# Altium PCB develboard_eva.PcbDoc (part 2 of 4)
Units mm, origin at the board's own origin, x right, y up, seen from the top; angles counter-clockwise.
Board outline 84 x 120 mm, 4 copper layers (Top Layer, Inner, GND, Bottom Layer), stack 1.668 mm thick; 201 components, 260 nets, 1028 pads, 870 vias.
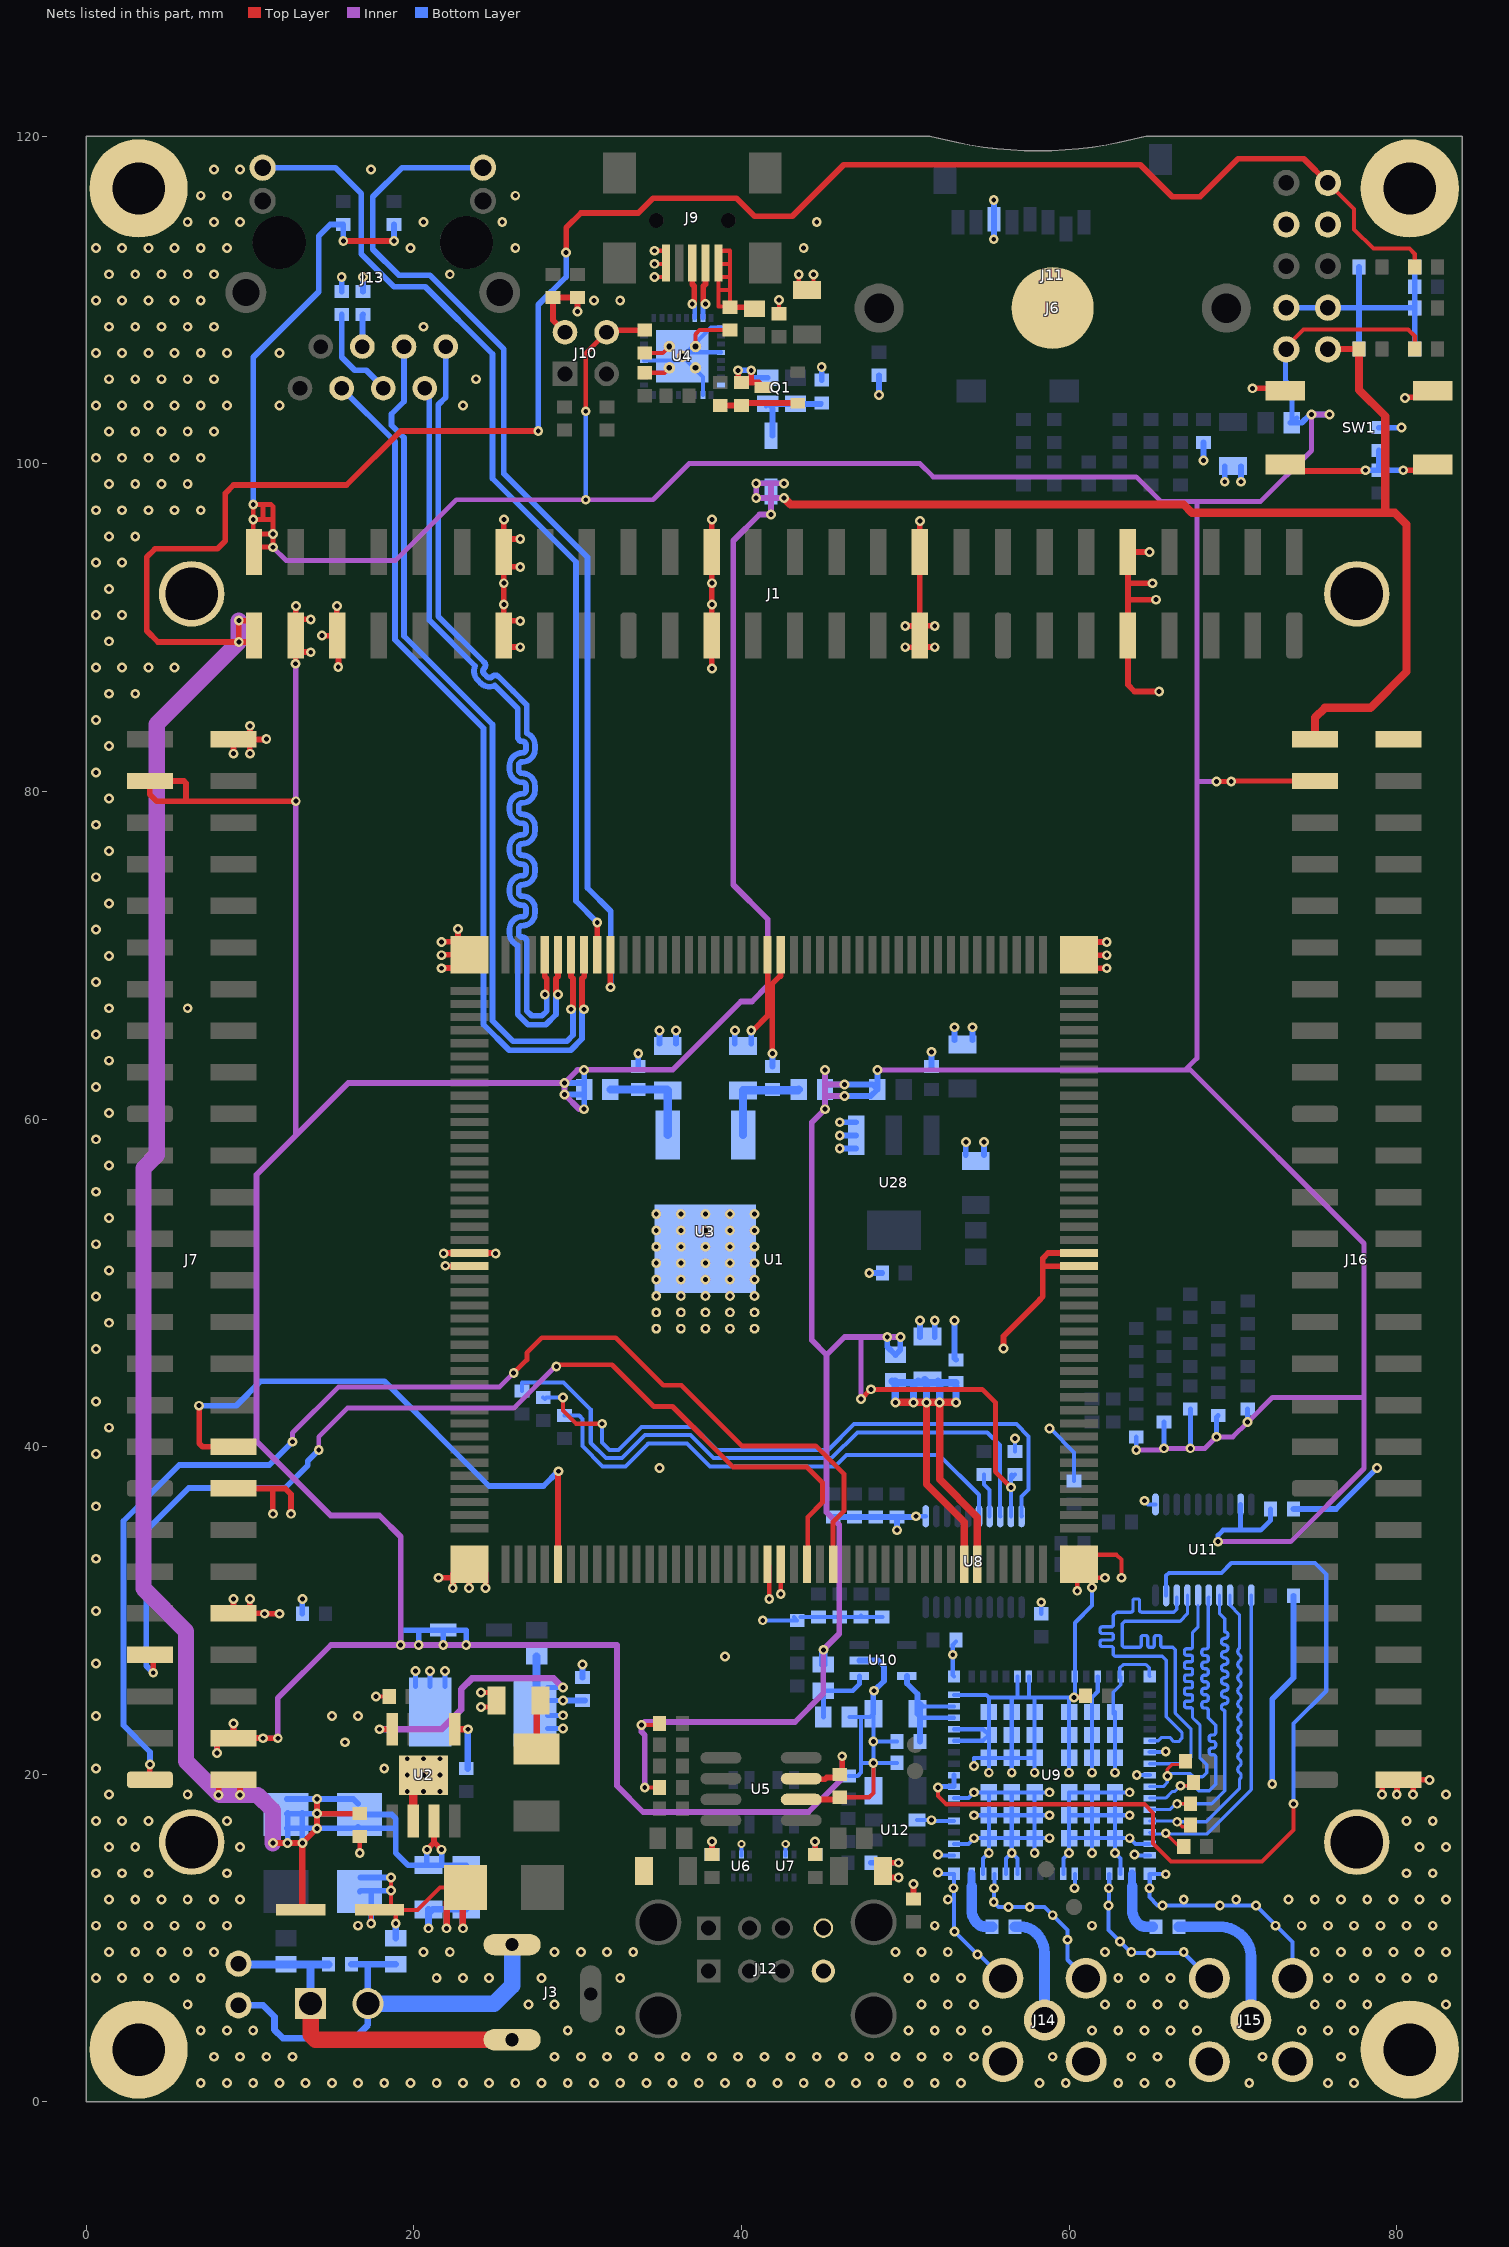
[diagram p4: the nets of this part, all layers, seen from the top]

## Via types
v1: diameter 0.6, hole 0.3, Top Layer to Bottom Layer, 866 vias
v2: diameter 0.5, hole 0.25, Top Layer to Bottom Layer, 4 vias

## Nets (pads, with @x,y where several pads share a name; then routed paths per layer and width w, separated by ;. In a path a pad name is that pad's centre, name@x,y a point inside that pad or via, vN(x,y) a via of type N, cw(c..) or ccw(c..) an arc to the next point about the centre after c; other vN are vias at no path point) (continued)
+3.3V: C23.1 C36.2 C37.2 D5.1 J1.2 J10.4 J16.3 L1.1 L7.1 L12.1 L13.2 L15.1 R50.1 R53.1 R55.2 R56.2 R72.1 R73.1 R74.1 R75.1 R76.1 Tp9.1 U8.19 U11.19 | length 367.4
  Top Layer w0.25: J10.4@31.77,108.02 J10.4@31.9,108.15 ; v1(33.9,23) 34.9,23 R50.1@35,23.1 ; v1(34.1,19.2) R53.1@35,19.2 ; Tp9.1@73.26,106.98 73.26,107.16 74.3,108.2 80.7,108.2 81.1,107.8 D5.1@81.1,107
  Top Layer w0.3: J1.2@10.24,95.7 J1.2@10.25,95.71 ; J1.2@10.25,94.61 J1.2@10.25,94.91 ; v1(30.5,103.2) 30.5,106.75 J10.4@31.77,108.02 ; v1(47.3,42.9) v1(47.9,43.5) 54.7,43.5 55.5,42.7 55.5,38.468 v1(56.45,37.518) ; v1(69,80.6) v1(69.9,80.6) 69.93,80.63 J16.3@75.01,80.63 ; v1(10.2,96.6) 10.8,96.6 ; v1(10.2,96.6) v1(10.2,97.5) 10.8,97.5 ; v1(10.2,96.6) 10.2,95.76 J1.2@10.25,95.71 ; J1.2@10.25,94.91 11.39,94.91 v1(11.4,94.9) v1(11.4,95.7) ; J1.2@10.25,94.91 J1.2@10.25,95.71 ; J1.2@10.25,95.71 11.39,95.71 v1(11.4,95.7) ; 10.8,96.6 11.4,96.6 ; 10.8,96.6 10.8,97.5 ; 10.8,97.5 11.3,97.5 11.4,97.4 11.4,96.6 ; v1(11.4,95.7) 11.4,96.6
  Top Layer w0.35: v1(15.7,113.6) v1(18.8,113.6) ; J10.4@31.9,108.15 C23.1@34.1,108.15
  Inner w0.3: v1(11.4,94.9) 12.2,94.1 18.9,94.1 22.6,97.8 v1(30.5,97.8) 34.6,97.8 36.8,100 50.9,100 51.7,99.2 64.1,99.2 65.6,97.7 67.8,97.7 ; v1(47.3,42.9) 47.3,46.7 ; v1(48.3,63) 67.1,63 ; v1(64.1,39.8) 65.7,39.8 v1(65.8,39.9) v1(67.4,39.9) 68.3,39.9 v1(69,40.6) 70,40.6 v1(70.9,41.5) 72.4,43 78,43 ; v1(69.1,34.2) 73.531,34.2 78,38.669 78,43 ; v1(69.9,80.6) v1(69,80.6) 67.8,80.6 ; v1(74.8,103) 74.8,100.8 71.7,97.7 67.8,97.7 ; 67.1,63 67.4,63 78,52.4 78,43 ; 67.1,63 67.8,63.7 67.8,80.6 ; 67.8,80.6 67.8,97.7
  Inner w0.35: v1(34.1,19.2) 34.1,22.4 33.9,22.6 v1(33.9,23) 34.1,23.2 43.267,23.2 45,24.933 v1(45,27.6) 45.975,28.575 45.975,35.225 45.2,36 45.2,45.6 ; 45.1,61.4 v1(46.3,61.4) ; 45.1,62.1 v1(46.3,62.1) ; v1@45.2,62.9 45.1,62.8 v1(45.1,60.6) 44.3,59.8 44.3,46.5 45.2,45.6 ; v1(49.7,46.7) v1(48.9,46.7) 47.3,46.7 46.3,46.7 45.2,45.6 ; v1(74.8,103) v1(75.9,103)
  Bottom Layer w0.25: U8.19@56.45,35.75 v1(56.45,37.518) 56.45,38.25 C36.2@56.5,38.3 ; C36.2@56.5,38.1 C36.2@56.7,38.3
  Bottom Layer w0.3: v1(30.5,97.8) v1(30.5,103.2) ; v1(64.1,39.8) R74.1@64.1,40.6 ; v1(65.8,39.9) R73.1@65.8,41.5 ; v1(67.4,39.9) R75.1@67.4,42.3 ; v1(69,40.6) 69,41.8 R72.1@69.1,41.9 ; v1(69.1,34.2) 69.1,34.6 69.4,34.9 70.5,34.9 ; U11.19@70.475,36.475 70.475,34.925 70.5,34.9 ; v1(70.9,41.5) R76.1@70.9,42.3 ; C37.2@72.3,36.2 72.3,35.5 71.7,34.9 70.5,34.9 ; Tp9.1@73.26,106.98 73.2,106.92 73.2,105.1 73.6,104.7 L7.1@73.6,102.5 L7.1@73.9,102.8
  Bottom Layer w0.35: v1(10.2,97.5) 10.2,106.5 14.2,110.5 14.2,113.9 14.9,114.6 R56.2@15.7,114.6 v1(15.7,113.6) ; v1(18.8,113.6) R55.2@18.8,114.6 ; v1(45.1,60.6) L15.1@45.1,61.4 ; v1(45.1,63) L15.1@45.1,62.1 ; v1(48.3,63) L12.1@48.3,61.8 ; v1(48.9,46.7) 48.9,46.1 L1.1@49.4,45.6 49.7,45.9 v1(49.7,46.7) ; L7.1@73.5,102.5 L7.1@73.6,102.5 74.2,102.5 74.7,103 v1(74.8,103) v1(75.9,103) ; L15.1@45.1,61.4 v1(46.3,61.4) 47.9,61.4 L12.1@48.3,61.8 ; L15.1@45.1,61.4 L15.1@45.1,61.8 L15.1@45.1,62.1 ; L15.1@45.1,62.1 v1(46.3,62.1) 48,62.1 L12.1@48.3,61.8
  Bottom Layer w0.5: L13.2@45,26.7 v1(45,27.6)
+5V: C28.1 D4.1 D6.1 D7.1 J1.3 J7.3 J7.50 J16.1 L5.1 Tp10.1 U5.7 | length 303.9
  Top Layer w0.35: v1@8,21.3 J7.50@8,22.53 ; v1(9,23.1) 8.99,23.09 J7.50@8.99,22.21 10.79,22.21 v1(10.8,22.2) v1(11.7,22.2) ; v1(12.79,87.79) 12.8,87.8 J1.3@12.8,88.5 ; v1(12.8,79.4) 6.1,79.4 ; J1.3@12.8,88.7 J1.3@12.8,88.5 ; J1.3@12.8,90.4 J1.3@12.8,90.5 ; v1(12.81,91.31) 12.8,91.3 J1.3@12.8,90.5 ; v1(13.71,88.49) 13.7,88.5 J1.3@12.8,88.5 ; v1(13.71,90.49) 13.7,90.5 J1.3@12.8,90.5 ; U5.7@43.65,19.735 43.685,19.7 45.1,19.7 45.2,19.8 C28.1@46,19.8 ; C28.1@46,20 46.15,20.15 v1(46.15,21.105) ; Tp10.1@75.8,106.98 75.82,107 D4.1@77.7,107 ; 6.1,79.4 4.3,79.4 3.89,79.81 J7.3@3.89,80.63 5.97,80.63 6.1,80.5 6.1,79.4
  Top Layer w0.5: v1(42.6,97.9) 43,97.5 67,97.5 67.5,97 79.3,97 ; J16.1@75.01,83.17 75.01,84.5 75.61,85.1 78.4,85.1 80.6,87.3 80.6,96.3 79.9,97 79.3,97 ; D4.1@77.7,107 77.7,104.5 79.3,102.9 79.3,97
  Inner w0.35: v1(7.99,21.31) 7.99,21.79 8.4,22.2 8.9,22.2 ; v1(9,23.1) 9,22.3 8.9,22.2 ; v1(12.79,87.79) 12.79,58.99 ; v1(30.4,60.6) 30.1,60.6 v1(29.2,61.5) v1(29.2,62.2) ; v1(42.6,97.9) 41.8,97.9 ; v1(42.6,98.8) 41.8,98.8 ; v1(46.15,21.105) 46.15,19.75 44.1,17.7 34,17.7 32.4,19.3 32.4,27.9 v1(23.2,27.9) v1(21.8,27.9) v1(20.3,27.9) v1(19.2,27.9) ; 8.9,22.2 v1(10.8,22.2) v1(11.7,22.2) 11.7,24.65 14.95,27.9 v1(19.2,27.9) ; 12.79,58.99 16,62.2 v1(29.2,62.2) ; 12.79,58.99 10.4,56.6 10.4,40.333 14.933,35.8 17.9,35.8 19.2,34.5 v1(19.2,27.9) ; v1(29.2,62.2) 30,63 v1(30.4,63) 35.8,63 39.975,67.175 40.642,67.175 41.6,68.133 41.6,72.2 39.5,74.3 39.5,95.3 41.1,96.9 v1(41.8,96.9) 41.8,97.9 ; 41.8,97.9 v1(40.9,97.9) v1(40.9,98.8) 41.8,98.8 ; 41.8,97.9 41.8,98.8
  Bottom Layer w0.35: v1(19.2,27.9) 19.2,28.8 20.3,28.8 ; v1(20.3,27.9) 20.3,28.8 ; v1(21.8,27.9) D6.1@21.8,28.8 ; v1(23.2,27.9) 23.2,28.8 D6.1@21.8,28.8 ; v1(29.2,61.5) L5.1@30.4,61.5 ; v1(29.2,62.2) L5.1@30.4,62.2 ; v1(30.4,60.6) L5.1@30.4,61.5 ; v1(30.4,63) L5.1@30.4,62.2 ; v1(40.9,97.9) D7.1@41.8,97.9 ; v1(40.9,98.8) D7.1@41.8,98.8 ; D7.1@41.7,97.9 v1(42.6,97.9) ; D7.1@41.7,98.8 v1(42.6,98.8) ; v1(41.8,96.9) D7.1@41.8,97.8 ; 20.3,28.8 D6.1@21.8,28.8 ; L5.1@30.4,61.5 L5.1@30.4,61.8 L5.1@30.4,62.2
+24V: C4.1 C6.2 C7.1 C8.1 D1.1 D2.1 D3.1 J1.1 J7.52 Tp11.1 U2.7 | length 247.5
  Top Layer w0.25: Tp11.1@75.8,117.14 77.4,115.54 77.4,114.3 78.575,113.125 80.775,113.125 81.1,112.8 D3.1@81.1,112
  Top Layer w0.35: v1(8.09,18.74) 8.1,18.75 J7.52@8.1,19.67 ; J7.52@8.99,19.67 J7.52@9,19.67 ; v1(9.32,90.42) 9.33,90.41 J1.1@10.25,90.41 ; v1(9.39,18.74) 9.4,18.75 J7.52@9.4,19.62 ; v1@9.4,90.4 9.32,90.4 v1(9.32,89.12) ; J1.1@10.25,89.11 9.33,89.11 v1(9.32,89.12) ; v1(11.4,15.8) v1(12.3,15.8) v1(13.2,15.8) v1(14.1,16.7) ; v1(14.1,18.5) v1(14.1,17.6) ; v1@14.2,16.8 v1(14.1,16.7) ; C6.2@16.7,17.6 v1(14.1,17.6) ; v1(20.8,15.4) 21.235,15.835 21.235,15.865 ; U2.7@21.235,17 21.235,15.865 ; v1(21.7,15.4) 21.235,15.865 ; v1(27.6,102) 19.2,102 15.9,98.7 9,98.7 8.5,98.2 8.5,95.3 8,94.8 4.2,94.8 3.7,94.3 3.7,89.8 4.38,89.12 v1(9.32,89.12) ; v1(29.3,112.9) 29.3,114.4 30.2,115.3 33.7,115.3 34.6,116.2 39.7,116.2 40.8,115.1 43.1,115.1 46.25,118.25 64.35,118.25 66.3,116.3 68,116.3 70.315,118.615 74.325,118.615 Tp11.1@75.8,117.14 ; J7.52@9,19.67 9,19.62 J7.52@9.4,19.62 ; J7.52@9,19.67 J7.52@9.4,19.67 ; J7.52@9.4,19.62 J7.52@9.4,19.67 ; J7.52@9.4,19.62 10,19.62 10,19.67 J7.52@9.4,19.67 ; v1(14.1,16.7) v1(14.1,17.6)
  Top Layer w0.4: C4.1@13.1,11.7 13.2,11.8 v1(13.2,15.8)
  Inner w1: v1(9.32,90.42) v1(9.32,89.12) 4.3,84.1 4.3,57.8 3.5,57 3.5,31.338 6.1,28.738 6.1,20.8 8.16,18.74 v1(9.39,18.74) 10.46,18.74 11.4,17.8 v1(11.4,15.8)
  Bottom Layer w0.35: v1(11.4,15.8) D1.1@11.4,17.651 ; D1.1@12.249,16.7 D1.1@12.3,16.7 ; D1.1@12.249,17.6 D1.1@12.3,17.6 ; D1.1@12.249,18.5 v1(14.1,18.5) 16.3,18.5 D2.1@16.6,18.2 ; v1(12.3,15.8) D1.1@12.3,16.7 ; D1.1@12.3,17.651 D1.1@12.3,17.6 ; v1(13.2,15.8) D1.1@13.2,16.7 ; D1.1@13.2,17.651 D1.1@13.2,17.6 ; D2.1@16.6,16.8 16.5,16.7 v1(14.1,16.7) D1.1@13.2,16.7 ; D2.1@16.7,16.7 18.8,16.7 18.9,16.6 ; D2.1@16.7,17.55 18.651,17.55 18.9,17.3 18.9,16.6 ; D2.1@16.8,17.6 v1(14.1,17.6) D1.1@13.2,17.6 ; v1(20.8,15.4) C8.1@20.8,14.45 ; v1(21.7,15.4) C8.1@21.7,14.45 ; C7.1@23.2,14.45 C8.1@21.7,14.45 ; v1(27.6,102) 27.6,109.7 29.3,111.4 v1(29.3,112.9) ; D1.1@12.3,16.7 D1.1@12.3,17.6 ; D1.1@12.3,16.7 D1.1@13.2,16.7 ; D1.1@12.3,17.6 D1.1@13.2,17.6 ; D1.1@13.2,16.7 D1.1@13.2,17.6 ; 18.9,16.6 18.9,15.2 19.65,14.45 C8.1@20.8,14.45 ; C8.1@20.8,14.45 C8.1@20.9,14.45 C8.1@21.7,14.45
+VIN: C3.2 J2.1 J3.1 L2.1 Tp1.1 | length 22.2
  Top Layer w1: J2.1@13.7,6 13.7,4.1 14,3.8 J3.1@26,3.8
  Bottom Layer w0.5: Tp1.1@9.3,8.44 9.34,8.4 L2.1@12.2,8.4 13.7,8.4 ; J2.1@13.7,6 13.7,8.4 ; C3.2@14.8,8.4 13.7,8.4
-VIN: C3.1 J2.2 J3.2 L3.1 Tp2.1 | length 27.8
  Bottom Layer w0.4: Tp2.1@9.4,6 Tp2.1@9.3,5.9 10.8,5.9 11.5,5.2 11.5,4.4 12,3.9 16.4,3.9 17.2,4.7 J2.2@17.2,6 17.2,8.4 ; C3.1@16.2,8.4 17.2,8.4 ; L3.1@18.9,8.4 17.2,8.4
  Bottom Layer w1: J2.2@17.2,6 24.9,6 26,7.1 J3.2@26,9.6
ADCREF_EXT: J7.45 U1.150 | length 64.5
  Top Layer w0.3: v1(28.7,44.9) 28.8,45 32.1,45 34.65,42.45 35.792,42.45 39.492,38.75 44.001,38.75 44.95,37.801 44.95,36.599 44.05,35.699 44.05,32.87 U1.150@44,32.82
  Top Layer w0.35: v1(4.1,26.2) J7.45@4.1,27.4
  Inner w0.3: v1(14.2,39.8) 14.2,40.6 15.95,42.35 26.099,42.35 28.649,44.9 v1(28.7,44.9)
  Bottom Layer w0.35: v1(4.1,26.2) 3.675,26.625 3.675,34.885 6.265,37.475 12.142,37.475 13.525,38.858 13.525,39.125 v1(14.2,39.8)
BOOT_RECOVERY: J7.51 U1.152 | length 74.9
  Top Layer w0.3: v1(26.1,44.5) 26.9,45.3 26.9,45.731 27.819,46.65 32.331,46.65 35.231,43.75 36.331,43.75 40.031,40.05 44.539,40.05 46.25,38.339 46.25,36.061 45.6,35.411 U1.152@45.6,32.82
  Top Layer w0.35: J7.51@3.89,19.67 3.89,20.59 v1(3.9,20.6)
  Inner w0.3: v1(12.6,40.3) 12.6,40.838 15.412,43.65 25.241,43.65 26.091,44.5 v1(26.1,44.5)
  Bottom Layer w0.35: v1(3.9,20.6) 3.9,21.367 2.275,22.992 2.275,35.465 5.685,38.875 11.175,38.875 v1(12.6,40.3)
BT_CTS: R60.2 U8.16 | length 31.3
  Bottom Layer w0.25: R60.2@29.2,41.9 30.1,41.9 30.3,41.7 30.3,40.031 31.531,38.8 32.914,38.8 34.314,40.2 36.679,40.2 38.079,38.8 45.714,38.8 46.414,39.5 52.064,39.5 54.5,37.064 U8.16@54.5,35.75
BT_RTS: R57.2 U8.17 | length 2.7
  Bottom Layer w0.25: R57.2@54.8,38.3 54.8,37.7 55.15,37.35 U8.17@55.15,35.75
BT_RXD: R59.2 U8.18 | length 39.3
  Bottom Layer w0.25: R59.2@26.6,43.4 26.6,43.9 26.625,43.925 29.152,43.925 30.8,42.277 30.8,40.238 31.738,39.3 32.707,39.3 34.107,40.7 36.886,40.7 38.286,39.3 45.507,39.3 47.082,40.875 55.005,40.875 55.775,40.105 55.775,35.775 U8.18@55.8,35.75
BT_TXD: R58.2 U8.20 | length 39.4
  Top Layer w0.25: v1(29.1,43) 29.1,42.2 29.9,41.4 v1(31.5,41.4)
  Bottom Layer w0.25: R58.2@27.9,43 28,42.9 28.1,43 v1(29.1,43) ; v1(31.5,41.4) 31.5,40.245 31.945,39.8 32.5,39.8 33.9,41.2 37.093,41.2 38.493,39.8 45.3,39.8 46.875,41.375 56.78,41.375 57.525,40.63 57.525,37.38 57.1,36.955 U8.20@57.1,35.75 U8.20@57.125,35.775
CLK: U9.8 U11.7 | length 22.1
  Bottom Layer w0.2: U9.8@64.925,20.65 67.05,20.65 67.436,21.036 67.436,22.786 66.485,23.738 66.485,27.6 66.335,27.75 66.2,27.75 66,27.75 65.72,27.75 cw(c65.72,27.87) 65.6,27.87 65.6,28.351 ccw(c65.48,28.351) 65.48,28.471 65.32,28.471 ccw(c65.32,28.351) 65.2,28.351 65.2,27.87 cw(c65.08,27.87) 65.08,27.75 64.92,27.75 cw(c64.92,27.87) 64.8,27.87 64.8,28.351 ccw(c64.68,28.351) 64.68,28.471 64.52,28.471 ccw(c64.52,28.351) 64.4,28.351 64.4,27.87 cw(c64.28,27.87) 64.28,27.75 63.7,27.75 63.35,27.75 63.25,27.85 63.25,29.2 63.4,29.35 66.775,29.35 67.225,29.8 U11.7@67.225,30.925
CMD: U9.6 U11.8 | length 22.1
  Bottom Layer w0.2: U9.6@64.925,22.05 65.45,22.05 65.65,22.25 66.15,22.25 66.4,22 66.686,22 66.886,22.2 66.886,22.558 65.935,23.51 65.935,26.965 65.7,27.2 62.8,27.2 62.7,27.3 62.7,27.6 62.7,27.68 ccw(c62.58,27.68) 62.58,27.8 62.014,27.8 cw(c62.014,27.92) 61.894,27.92 61.894,28.08 cw(c62.014,28.08) 62.014,28.2 62.58,28.2 ccw(c62.58,28.32) 62.7,28.32 62.7,28.48 ccw(c62.58,28.48) 62.58,28.6 62.014,28.6 cw(c62.014,28.72) 61.894,28.72 61.894,28.88 cw(c62.014,28.88) 62.014,29 62.58,29 ccw(c62.58,29.12) 62.7,29.12 62.7,29.4 62.7,29.7 62.9,29.9 63.1,29.9 63.5,29.9 63.78,29.9 ccw(c63.78,30.02) 63.9,30.02 63.9,30.586 cw(c64.02,30.586) 64.02,30.706 64.18,30.706 cw(c64.18,30.586) 64.3,30.586 64.3,30.02 ccw(c64.42,30.02) 64.42,29.9 64.5,29.9 66.4,29.9 66.575,30.075 U11.8@66.575,30.8
D0: R90.2 U9.10 U11.6 | length 20.5
  Top Layer w0.2: v1(66,19.9) 66,20.3 66.3,20.6 R90.2@67.2,20.6
  Bottom Layer w0.2: U9.10@64.925,19.25 65.75,19.25 66,19.5 v1(66,19.9) 66.15,20.05 67.4,20.05 67.6,19.85 68.15,19.85 68.4,20.1 68.4,20.586 67.986,21 67.986,21.2 67.986,21.4 67.986,21.8 67.986,22.2 67.986,22.6 67.986,23 67.986,23.014 67.845,23.155 67.562,23.438 67.536,23.464 67.536,23.664 67.536,23.944 ccw(c67.416,23.944) 67.416,24.064 67.168,24.064 cw(c67.168,24.184) 67.048,24.184 67.048,24.344 cw(c67.168,24.344) 67.168,24.464 67.416,24.464 ccw(c67.416,24.584) 67.536,24.584 67.536,24.744 ccw(c67.416,24.744) 67.416,24.864 67.168,24.864 cw(c67.168,24.984) 67.048,24.984 67.048,25.144 cw(c67.168,25.144) 67.168,25.264 67.416,25.264 ccw(c67.416,25.384) 67.536,25.384 67.536,25.544 ccw(c67.416,25.544) 67.416,25.664 67.168,25.664 cw(c67.168,25.784) 67.048,25.784 67.048,25.944 cw(c67.168,25.944) 67.168,26.064 67.416,26.064 ccw(c67.416,26.184) 67.536,26.184 67.536,26.344 ccw(c67.416,26.344) 67.416,26.464 67.168,26.464 cw(c67.168,26.584) 67.048,26.584 67.048,26.744 cw(c67.168,26.744) 67.168,26.864 67.416,26.864 ccw(c67.416,26.984) 67.536,26.984 67.536,27.144 ccw(c67.416,27.144) 67.416,27.264 67.168,27.264 cw(c67.168,27.384) 67.048,27.384 67.048,27.544 cw(c67.168,27.544) 67.168,27.664 67.416,27.664 ccw(c67.416,27.784) 67.536,27.784 67.536,28.3 67.536,28.658 67.875,28.997 U11.6@67.875,30.3
D1: R91.2 U9.11 U11.5 | length 20.8
  Top Layer w0.2: v1(66.8,19.3) R91.2@67.7,19.3
  Bottom Layer w0.2: U9.11@64.925,18.55 65.889,18.55 66.289,18.95 66.45,18.95 v1(66.8,19.3) 67.6,19.3 67.9,19 68.55,19 68.95,19.4 68.95,19.6 68.95,20 68.95,20.4 68.95,20.8 68.95,21.04 ccw(c68.79,21.04) 68.79,21.2 68.71,21.2 cw(c68.71,21.36) 68.55,21.36 68.55,21.44 cw(c68.71,21.44) 68.71,21.6 68.79,21.6 ccw(c68.79,21.76) 68.95,21.76 68.95,21.84 ccw(c68.79,21.84) 68.79,22 68.71,22 cw(c68.71,22.16) 68.55,22.16 68.55,22.24 cw(c68.71,22.24) 68.71,22.4 68.79,22.4 ccw(c68.79,22.56) 68.95,22.56 68.95,22.8 68.95,23 68.809,23.141 68.526,23.424 68.5,23.45 68.5,23.65 68.5,23.89 ccw(c68.34,23.89) 68.34,24.05 68.26,24.05 cw(c68.26,24.21) 68.1,24.21 68.1,24.29 cw(c68.26,24.29) 68.26,24.45 68.34,24.45 ccw(c68.34,24.61) 68.5,24.61 68.5,24.69 ccw(c68.34,24.69) 68.34,24.85 68.26,24.85 cw(c68.26,25.01) 68.1,25.01 68.1,25.09 cw(c68.26,25.09) 68.26,25.25 68.34,25.25 ccw(c68.34,25.41) 68.5,25.41 68.5,25.49 ccw(c68.34,25.49) 68.34,25.65 68.26,25.65 cw(c68.26,25.81) 68.1,25.81 68.1,25.89 cw(c68.26,25.89) 68.26,26.05 68.34,26.05 ccw(c68.34,26.21) 68.5,26.21 68.5,26.29 ccw(c68.34,26.29) 68.34,26.45 68.26,26.45 cw(c68.26,26.61) 68.1,26.61 68.1,26.69 cw(c68.26,26.69) 68.26,26.85 68.34,26.85 ccw(c68.34,27.01) 68.5,27.01 68.5,27.09 ccw(c68.34,27.09) 68.34,27.25 68.26,27.25 cw(c68.26,27.41) 68.1,27.41 68.1,27.49 cw(c68.26,27.49) 68.26,27.65 68.34,27.65 ccw(c68.34,27.81) 68.5,27.81 68.5,28.2 68.5,30.775 U11.5@68.525,30.8
D2: R92.2 U9.12 U11.4 | length 20.8
  Top Layer w0.2: v1(66.6,18.2) 67.3,18.2 R92.2@67.5,18
  Bottom Layer w0.2: U9.12@64.925,17.85 66.15,17.85 66.5,18.2 v1(66.6,18.2) 68.7,18.2 69.5,19 69.5,19.5 69.5,19.9 69.5,20.3 69.5,20.7 69.5,21.1 69.5,21.5 69.5,21.9 69.5,22.3 69.5,22.7 69.5,23.1 69.5,23.5 69.5,23.9 cw(c69.5,24.1) 69.5,24.3 ccw(c69.5,24.5) 69.5,24.7 cw(c69.5,24.9) 69.5,25.1 ccw(c69.5,25.3) 69.5,25.5 cw(c69.5,25.7) 69.5,25.9 ccw(c69.5,26.1) 69.5,26.3 cw(c69.5,26.5) 69.5,26.7 ccw(c69.5,26.9) 69.5,27.1 cw(c69.5,27.3) 69.5,27.5 ccw(c69.5,27.7) 69.5,27.9 cw(c69.5,28.1) 69.5,28.3 ccw(c69.5,28.5) 69.5,28.7 69.5,29.1 69.5,29.5 69.175,29.825 U11.4@69.175,30.925
D3: R89.2 U9.13 U11.3 | length 20.7
  Top Layer w0.2: v1(66.6,17.1) 66.9,16.8 67.4,16.8 R89.2@67.5,16.7
  Bottom Layer w0.2: U9.13@64.925,17.15 66.55,17.15 v1(66.6,17.1) 68.378,17.1 70.4,19.122 70.4,19.3 70.4,19.7 ccw(c70.25,19.9) 70.4,20.1 cw(c70.55,20.3) 70.4,20.5 ccw(c70.25,20.7) 70.4,20.9 cw(c70.55,21.1) 70.4,21.3 ccw(c70.25,21.5) 70.4,21.7 cw(c70.55,21.9) 70.4,22.1 ccw(c70.25,22.3) 70.4,22.5 cw(c70.55,22.7) 70.4,22.9 ccw(c70.25,23.1) 70.4,23.3 cw(c70.55,23.5) 70.4,23.7 ccw(c70.25,23.9) 70.4,24.1 cw(c70.55,24.3) 70.4,24.5 ccw(c70.25,24.7) 70.4,24.9 cw(c70.55,25.1) 70.4,25.3 ccw(c70.25,25.5) 70.4,25.7 cw(c70.55,25.9) 70.4,26.1 ccw(c70.25,26.3) 70.4,26.5 cw(c70.55,26.7) 70.4,26.9 ccw(c70.25,27.1) 70.4,27.3 cw(c70.55,27.5) 70.4,27.7 70.4,28 70.4,29.747 69.825,30.322 U11.3@69.825,30.925
EN: U9.40 U9.41 U11.9 | length 55.6
  Top Layer w0.25: v1(52,19.2) 52,18.675 52.5,18.175 64.6,18.175 65.125,17.65 65.125,15.775 66.225,14.675 71.775,14.675 73.7,16.6 v1(73.7,18.2) v1@73.7,18.3
  Bottom Layer w0.25: U11.9@65.925,30.925 65.925,32.125 66.1,32.3 69.3,32.3 69.9,32.9 75,32.9 75.7,32.2 75.7,25.1 73.7,23.1 v1(73.7,18.2)
  Bottom Layer w0.3: v1(52,19.2) 52.05,19.25 U9.40@52.975,19.25 U9.41@52.975,19.95
ETH_LEDACTLINK: J13.12 U1.77 | length 60.3
  Top Layer w0.35: U1.77@31.2,70.02 v1(31.2,72)
  Bottom Layer w0.35: J13.12@10.7,118 J13.12@10.775,118 ; J13.12@10.775,118.07 15.222,118.07 16.8,116.492 16.8,112.8 18.8,110.8 20.7,110.8 24.8,106.7 24.8,99.1 29.9,94 29.9,73.3 v1(31.2,72)
ETH_LEDSPEED: J13.10 U1.76 | length 64.8
  Top Layer w0.35: v1(32,68.04) U1.76@32,70.02
  Bottom Layer w0.35: J13.10@24.225,118.07 19.278,118.07 17.5,116.292 17.5,113.09 19.09,111.5 20.99,111.5 25.5,106.99 25.5,99.39 30.6,94.29 30.6,74.1 32.025,72.675 32.025,68.065 v1(32,68.04)
ETHRX_N: J13.6 U1.78 | length 54.7
  Top Layer w0.35: v1(30.4,66.7) 30.275,66.825 30.275,68.57 30.4,68.695 U1.78@30.4,70.02
  Bottom Layer w0.35: J13.6@15.595,104.61 18.85,101.355 18.85,89.25 24.25,83.85 24.25,65.772 25.822,64.2 29.578,64.2 30.275,64.897 30.275,66.575 v1(30.4,66.7)
ETHRX_P: J13.3 U1.79 | length 54.7
  Top Layer w0.35: v1(29.6,66.7) 29.725,66.825 29.725,68.57 29.6,68.695 U1.79@29.6,70.02
  Bottom Layer w0.35: J13.3@19.405,107.15 19.405,103.8 18.641,103.036 18.641,102.341 19.383,101.6 19.4,101.6 19.4,89.478 24.8,84.078 24.8,66 26.05,64.75 29.35,64.75 29.725,65.125 29.725,66.575 v1(29.6,66.7)
ETHTX_N: J13.2 U1.80 | length 53.3
  Top Layer w0.35: v1(28.8,67.6) 28.675,67.725 28.675,68.57 28.8,68.695 U1.80@28.8,70.02
  Bottom Layer w0.35: J13.2@20.675,104.61 20.95,104.335 20.95,90.45 23.744,87.656 ccw(c24.451,87.338) 23.903,86.79 24.079,86.613 ccw(c24.627,87.161) 24.945,86.455 25.67,85.73 26.35,85.05 26.35,83.325 ccw(c26.625,83.325) 26.625,83.05 cw(c26.625,82.825) 26.85,82.825 26.85,82.575 cw(c26.625,82.575) 26.625,82.35 ccw(c26.625,81.575) 25.85,81.575 25.85,81.325 ccw(c26.625,81.325) 26.625,80.55 cw(c26.625,80.325) 26.85,80.325 26.85,80.075 cw(c26.625,80.075) 26.625,79.85 ccw(c26.625,79.075) 25.85,79.075 25.85,78.825 ccw(c26.625,78.825) 26.625,78.05 cw(c26.625,77.825) 26.85,77.825 26.85,77.575 cw(c26.625,77.575) 26.625,77.35 ccw(c26.625,76.575) 25.85,76.575 25.85,76.325 ccw(c26.625,76.325) 26.625,75.55 cw(c26.625,75.325) 26.85,75.325 26.85,75.075 cw(c26.625,75.075) 26.625,74.85 ccw(c26.625,74.075) 25.85,74.075 25.85,73.825 ccw(c26.625,73.825) 26.625,73.05 cw(c26.625,72.825) 26.85,72.825 26.85,72.575 cw(c26.625,72.575) 26.625,72.35 ccw(c26.625,71.575) 25.85,71.575 25.85,71.325 ccw(c26.625,71.325) 26.35,70.6 26.35,66.372 26.972,65.75 28.053,65.75 28.675,66.372 28.675,67.475 v1(28.8,67.6)